# Altium PCB FSAES-22-E17 Temp Module PCB.PcbDoc (part 2 of 3)
Units mil, origin at the board's own origin, x right, y up, seen from the top; angles counter-clockwise.
Board outline 6776.17 x 2481.98 mil, 4 copper layers (Top Layer, Int 1 (GND), Int 2 (PWR), Bottom Layer), stack 53.912 mil thick; 294 components, 222 nets, 884 pads, 590 vias.
Unrouted connection lines stored in the file: 3.
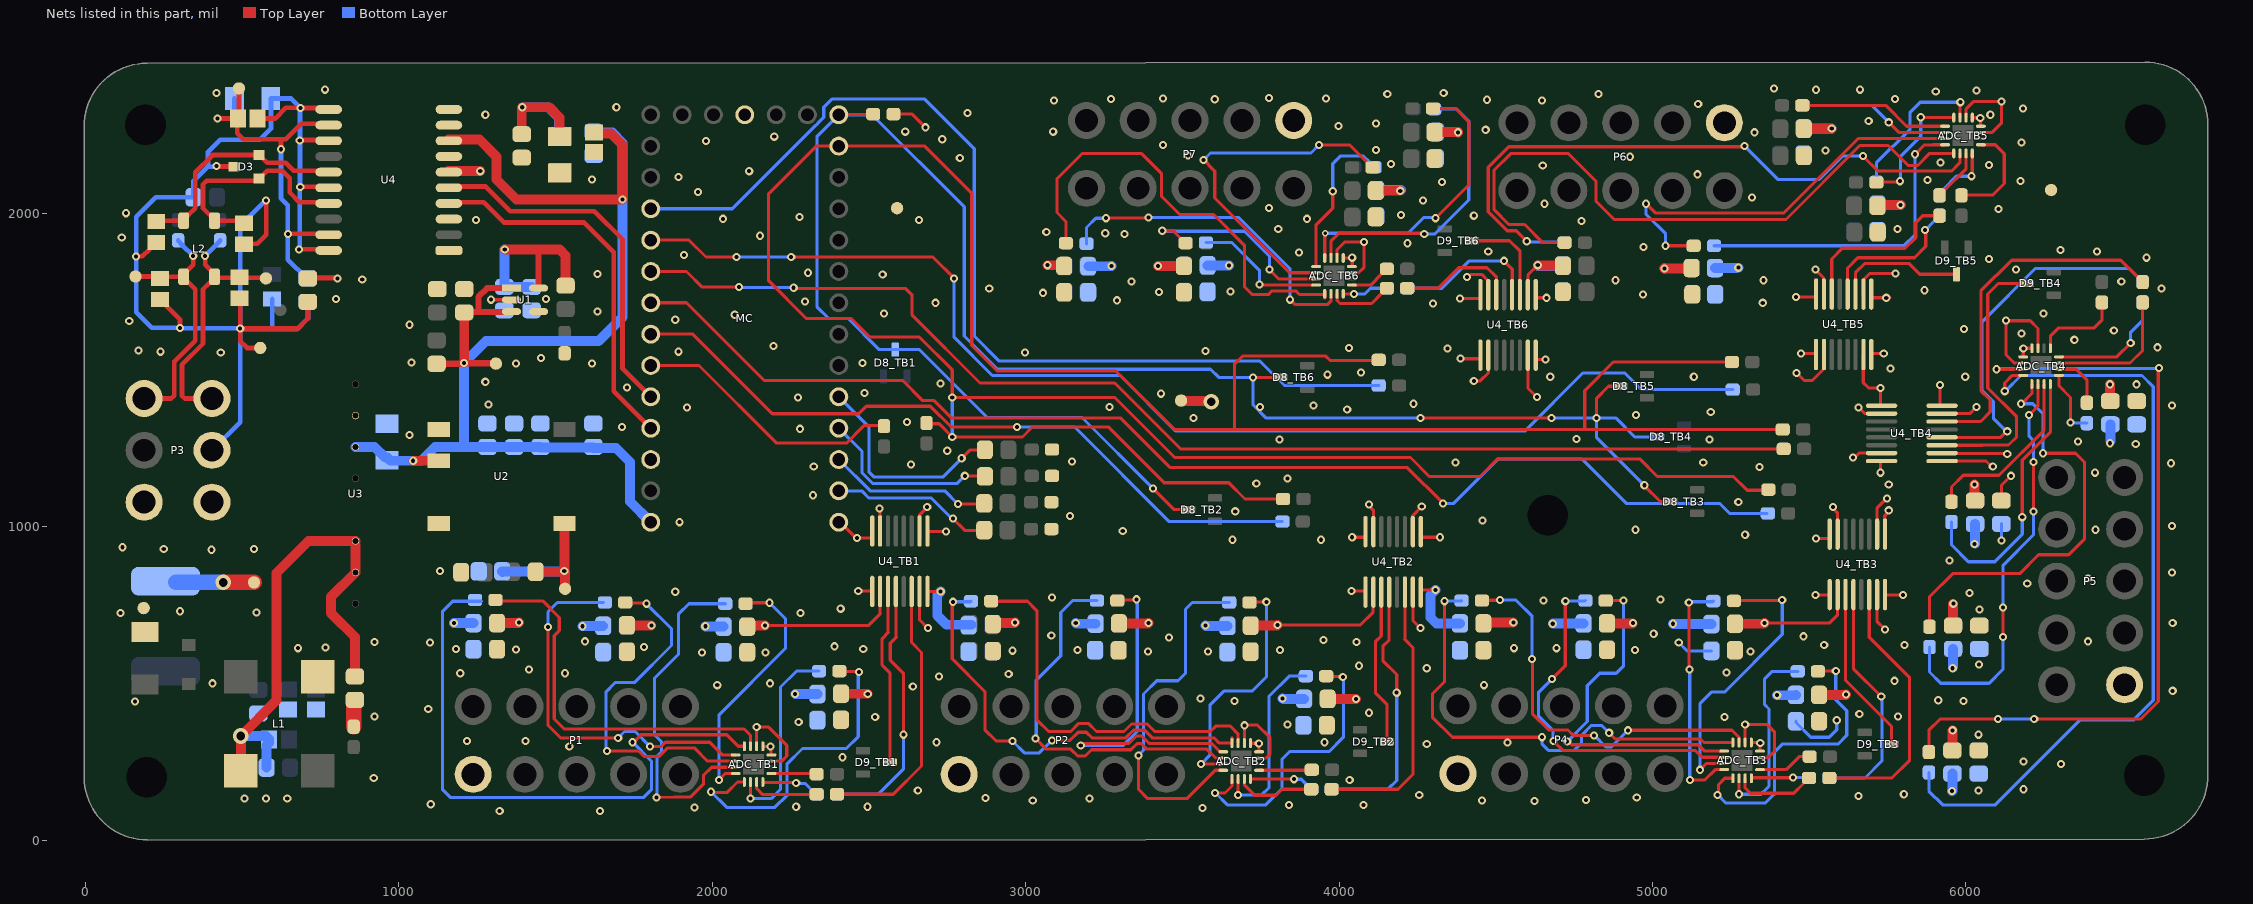
[diagram p4: the nets of this part, all layers, seen from the top]

## Via types
v1: diameter 25.98, hole 12.99, Top Layer to Bottom Layer, tented both sides, 575 vias
v2: diameter 25.98, hole 12.99, Top Layer to Bottom Layer, 8 vias
v3: diameter 50, hole 28, Top Layer to Bottom Layer, tented both sides, 6 vias
v4: diameter 21.65, hole 9.84, Top Layer to Bottom Layer, tented both sides, 1 vias

## Nets (pads, with @x,y where several pads share a name; then routed paths per layer and width w, separated by ;. In a path a pad name is that pad's centre, name@x,y a point inside that pad or via, vN(x,y) a via of type N, cw(c..) or ccw(c..) an arc to the next point about the centre after c; other vN are vias at no path point) (continued)
"0V (TMP)": "0V (TMP).1" ADC_TB1.8 ADC_TB1.9 ADC_TB2.8 ADC_TB2.9 ADC_TB3.8 ADC_TB3.9 ADC_TB4.8 ADC_TB4.9 ADC_TB5.8 ADC_TB5.9 ADC_TB6.8 ADC_TB6.9 C13.2 C29_TB1.2 C29_TB2.2 C29_TB3.2 C29_TB4.2 C29_TB5.2 C29_TB6.2 C30_TB1.2 C30_TB2.2 C30_TB3.2 C30_TB4.2 C30_TB5.2 C30_TB6.2 C31_TB1.2 C31_TB2.2 C31_TB3.2 C31_TB4.2 C31_TB5.2 C31_TB6.2 C32_TB1.2 C32_TB2.2 C32_TB3.2 C32_TB4.2 C32_TB5.2 C32_TB6.2 C33_TB1.2 C33_TB2.2 C33_TB3.2 C33_TB4.2 C33_TB5.2 C33_TB6.2 C34_TB1.2 C34_TB2.2 C34_TB3.2 C34_TB4.2 C34_TB5.2 C34_TB6.2 C35_TB1.2 C35_TB2.2 C35_TB3.2 C35_TB4.2 C35_TB5.2 C35_TB6.2 C36_TB1.2 C36_TB2.2 C36_TB3.2 C36_TB4.2 C36_TB5.2 C36_TB6.2 P1.9 P2.9 P4.9 P5.9 P6.9 P7.9 R4.1 U2.4 U4_TB1.9 U4_TB1.15 U4_TB2.9 U4_TB2.15 U4_TB3.9 U4_TB3.15 U4_TB4.9 U4_TB4.15 U4_TB5.9 U4_TB5.15 U4_TB6.9 U4_TB6.15 | length 1943.9
  Top Layer w10: ADC_TB1.8@2161.53,299.09 2161.53,298.62 2161.61,298.54 2185.46,298.54 v1(2186,298) 2187.54,296.46 2187.54,271.61 2187.62,271.53 ADC_TB1.9@2189.09,271.53 ; v1(2466,794) 2508.66,794 2510.07,792.6 U4_TB1.9@2510.07,774 ; U4_TB1.15@2661.59,793.09 2661.59,702.41 v1(2688,676) ; ADC_TB2.8@3717.53,309.09 3717.53,308.62 3717.61,308.54 3743.46,308.54 v1(3744,308) 3744.54,307.46 3744.54,281.61 3744.62,281.53 ADC_TB2.9@3745.09,281.53 ; ADC_TB6.8@4018.45,1857.54 v1@4041.54,1857.54 ; v1(4040,794) 4082.66,794 4083.81,792.85 U4_TB2.9@4083.81,771.54 ; ADC_TB6.9@4042,1829.53 v1(4042,1858) ; U4_TB2.15@4235.59,791.09 4235.59,700.41 v1(4260,676) ; v1(4408,1796) 4412.33,1796 4421.17,1804.85 4454.97,1804.85 4477.01,1782.81 U4_TB6.15@4477.01,1728.46 ; U4_TB6.9@4628.19,1730 v1(4662,1730) ; ADC_TB3.8@5315.53,311.09 5315.53,310.62 5315.61,310.54 5343.46,310.54 v1(5344,310) 5343.54,309.54 5343.54,283.61 5343.46,283.53 ADC_TB3.9@5343.09,283.53 ; v1(5520,782) 5563.88,782 5564.87,781 U4_TB3.9@5564.87,767.8 ; v1(5520,1820) 5546,1794 5546,1778.8 5546.1,1778.7 5546.1,1732.91 U4_TB5.15@5546,1732.82 ; U4_TB5.9@5698,1732 5698,1731.75 5699.75,1730 v1(5746,1730) 5746.46,1730.46 v1@5758.19,1730.46 ; U4_TB3.15@5716.05,767.8 5716.05,697.95 v1(5742,672) ; U4_TB4.9@5924,1209.21 6064.46,1209.21 6081.67,1192 v1(6086,1192) ; U4_TB4.15@5924,1360.39 6012.39,1360.39 v1(6034,1382) ; ADC_TB5.8@6020.44,2304.93 6020.44,2304.54 6020.52,2304.46 6045.54,2304.46 6047,2303 6047,2277.45 6047.08,2277.37 ADC_TB5.9@6048,2277.37 ; C32_TB4.2@6113.27,1082.8 6113.27,1131.26 v1(6144,1162) ; ADC_TB4.8@6182.91,1541.53 6183.03,1541.53 6183.11,1541.61 6183.11,1568.5 v1(6183.31,1568.69) 6183.5,1568.89 6210.39,1568.89 6210.47,1568.97 ADC_TB4.9@6210.47,1569.09
  Top Layer w19.68: v1@4041.54,1857.54 v1(4042,1858)
  Bottom Layer w10: v1(5084,630) 5111.03,602.97 C31_TB3.2@5188.14,602.97 ; C29_TB3.2@5458.14,378.97 5458.14,375.03 5505.17,328 5564,328 5588,352 v1(5588,382) ; C31_TB4.2@6113.27,1008.94 6114,1008.21 v1(6114,956)
  other v1: 1322,92 1642,92 3564,102 1944,104 2268,106 2496,106 3840,112 4078,112 1102,114 4624,124 3022.65,126.22 4456,126 4788,128 3204,132 2872,134 4950,136 5658,140 4256,144 5802,146 2656,158 6040,158 6184,162 4034,192 6304,242 6184,250 2416,264 1544,298 4280,306 2716,312 3954,312 1218,316 1404,316 6040,336 3836,368 2276,376 2520,392 5230,392 5784,394 5660,402 4096,406 1094,418 3666,444 5992,444 5912,446 3558,452 6660,476 2640,490 2016,494 4462,494 2184,500 5772,508 2724,522 2946,530 1196,532 1530,532 5236,534 1416,544 4280,548 4064,556 6042,560 1968,598 2170,598 3390,602 3582,602 5312.47,601.83 2958,604 3166,606 3812,606 4944,606 1374,608 1182,610 2482,610 4558,612 4694,612 1782,616 2390,618 5548,622 5804,622 1100,630 4056,632 1594,634 6390,634 3950,638 3458,646 5482,650 3082,652 5004,658 6660,692 2282,724 6044,736 2410,738 4652,764 5025.43,767.42 3084,774 6012,788 1882,792 6196,818 6390,834 6658,854 1132,858 5948,892 6414,990 6658,1002 6412,1172 6654,1202 6542,1264 6358,1272 6658,1386 6544,1454 5998,1478 6612,1572 6346,1596 6178,1616 6472,1626 5994,1630 6248,1680 4300,1712 5352,1714 3292,1722 4970,1740 3056,1746 3426,1748 3654,1750 5868,1754 6624,1760 3338,1782 6496,1782 4882,1786 5354,1786 6160,1820 6074,1854 6576,1858 3872,1874 4476,1878 6418,1878 6302,1882 4972,1892 4218,1904 3316,1934 3254,1936 3066,1940 3806,1950 5782,1950 4773.56,1975.62 3898,1982 4430,1992 4198,1994 6104.28,2013.72 3776,2016 4656,2030 4268,2040 5318,2050 4328,2100 6174.1,2103.18 5878,2106 5144,2124 4650,2152 6074,2154 4166.05,2156.41 5919.63,2162.16 4928,2180 3518,2184 5552,2200 4118,2202 3438,2218 6178,2226 5326,2258 3088,2260 4468,2266 3998,2278 4118,2286 5690,2294 6046,2304 6078,2314 6182,2334 5146,2348 3090,2360 4648,2360 4472,2362 3603.47,2363.48 3272,2364 5774,2364 3438,2366 3958,2366 3776,2368 4154,2380 4828,2380 4334,2384 5904,2388 6034,2392 5522.16,2393.8 5662,2394 5388,2398
"3.3V (ISO)": "3.3V (ISO).1" "RL_3.3V (ISO).A" C9.2 C10.1 C25.1 C26.1 C28.1 MC.3.3V_2 R13.2 U1.5 U4.6 U4_TB1.1 U4_TB1.7 U4_TB2.1 U4_TB2.7 U4_TB3.1 U4_TB3.7 U4_TB4.1 U4_TB4.7 U4_TB5.1 U4_TB5.7 U4_TB6.1 U4_TB6.7 | length 2600.4
  Top Layer w10: v1(2534,1058) 2534.88,1057.12 2534.88,964.58 U4_TB1.7@2537.01,962.46 ; R13.2@2578.48,2316 2638,2316 v1(2680,2274) ; U4_TB1.1@2688.19,961.75 2688.19,983.66 2688.53,984 v1(2746,984) ; v1(4096,1070) 4096,1065.67 4109.61,1052.07 U4_TB2.7@4109.61,984 4109.61,965.06 U4_TB2.7@4109.01,964.46 ; U4_TB2.1@4260.19,964.46 4261.73,966 v1(4322,966) ; v1@4388,1535.54 U4_TB6.1@4451.81,1535.54 ; U4_TB6.7@4602.39,1547.09 4602.99,1546.49 4602.99,1441.82 v1(4631.3,1413.52) ; v1(5474,1552) 5520.27,1552 5523.17,1549.1 U4_TB5.1@5523.17,1537.54 ; v1(5576,1062) 5576,1057.67 5590.82,1042.86 U4_TB3.7@5590.82,976 5590.82,958.35 U4_TB3.7@5590.03,957.56 ; v1(5640,1220) 5644.33,1220 5659.33,1235.01 U4_TB4.7@5753.54,1235.01 ; U4_TB5.7@5673.2,1549.09 5672.8,1548.69 5672.8,1459.2 5690,1442 v1(5728,1442) 5728,1387.34 5729.15,1386.19 U4_TB4.1@5753.54,1386.19 ; U4_TB3.1@5741.25,960.71 5741.25,1034.92 5754,1047.67 v1(5754,1052)
  Top Layer w19.68: U1.5@1446,1760.8 1446,1884
  Top Layer w31.5: U4.6@1158.02,2135 1259,2135 v1(1260,2134) ; v1(1338,1884) 1446,1884 1513.55,1884 1532,1865.55 1532,1768.8 ; C26.1@1392.32,2252 1392.32,2336.32 v1(1394,2338) 1480,2338 1512.32,2305.69 C25.1@1512.32,2244.12 ; 3496,1400.49 3589.51,1400.49 v3(3592,1398)
  Bottom Layer w10: C10.1@1423.9,1764.9 C10.1@1424,1764.8
  Bottom Layer w31.5: v1@1337,1884 v1@1337,1883 ; v1(1338,1884) v1@1337,1883 ; v1(1394,2338) 1478,2338 1511.45,2304.55 1511.45,2248.99 C28.1@1514.32,2246.12 ; C10.1@1423.9,1764.9 1337.1,1764.9 C9.2@1337,1765 v1@1337,1883
  other v1: 4388,1536
"5V (CAN)": "5V (CAN).1" C19.1 C20.1 C21.2 C22.1 U4.12 U4.19 | length 1427.2
  Top Layer w15: v1(422,2302) 480.24,2302 490,2311.76 490,2382 ; C21.2@484.5,2302 484.5,2255.5 504,2236 624,2236 ; v1(624,2204) 624,2236 ; v1(646,1934) 646.5,1934.5 773.52,1934.5 U4.19@774.02,1935 ; C19.1@709.03,1792 C19.1@710,1792 v1(804,1792) ; U4.12@774.02,2285 689,2285 640,2236 624,2236
  Bottom Layer w15: v1(422,2302) 464,2302 475.76,2313.76 C20.1@475.76,2366 ; v1(624,2204) 624,2048 646,2026 v1(646,1934) 646,1851.87 C22.1@706,1791.87 ; C22.1@695.03,1791.87 C22.1@706,1791.87 ; C22.1@735.9,1792.94 707.06,1792.94 C22.1@706,1791.87 ; C22.1@738,1794 802,1794 v1(804,1792)
"5V (ISO)": 5V(ISO).1 C6.1 C7.2 C8.2 C11.2 C12.1 C23.2 C24.1 C27.1 MC.VIN RL_5V(ISO).A U1.1 U1.3 U2.2 U3.6 U4.8 | length 4353.6
  Top Layer w19.68: 1121.11,1518.76 1120.35,1519.53 v1@1203.82,1519.53 ; v1@1209,1521 1309,1521 1310,1520 ; C11.2@1210.43,1684.54 1254,1684.54 ; U1.3@1339.26,1684.54 1254,1684.54 ; U1.3@1339.26,1686 U1.3@1359.36,1686 ; U1.1@1359.36,1760.8 1281.93,1760.8 1254,1732.87 1254,1684.54
  Top Layer w31.5: v1(1046,1210) U2.2@1135.57,1210 ; U4.8@1158.02,2235 1257,2235 1312,2180 1312,2108 1376,2044 v1(1714,2044) 1714,2218 1677.39,2254.61 1635.11,2254.61 1632.23,2257.5 C23.2@1622.32,2257.5 ; v1@1208.97,1522.97 C11.2@1208.97,1677.07 ; C11.2@1208.97,1683.07 C11.2@1210.43,1684.54
  Bottom Layer w31.5: U3.6@862,1254 922.94,1254 956.94,1220 963.88,1220 973.88,1210 1072,1210 1116,1254 1208,1254 ; C8.2@1452,1252.07 1620.97,1252.07 1621.78,1251.26 1692.74,1251.26 1738,1206 1738,1080 MC.VIN@1804,1014 ; C8.2@1452.03,1254.07 1452,1254.04 C7.2@1368,1254 C7.2@1368,1254 1367.94,1254.06 C12.1@1282.97,1254.13 C12.1@1282.97,1254.13 1282.84,1254 1208,1254 ; C24.1@1622.32,2260 1625.32,2256.99 1681.48,2256.99 1714,2224.47 v1(1714,2044) 1714,1668 1638,1592 1278,1592 v1(1208,1522) 1208,1254
  other v1: 1454,1538
"5V (TMP)": "5V (TMP).1" "RL_5V (TMP).A" ADC_TB1.7 ADC_TB1.10 ADC_TB2.7 ADC_TB2.10 ADC_TB3.7 ADC_TB3.10 ADC_TB4.7 ADC_TB4.10 ADC_TB5.7 ADC_TB5.10 ADC_TB6.7 ADC_TB6.10 C13.1 R23_TB1.2 R23_TB2.2 R23_TB3.2 R23_TB4.2 R23_TB5.2 R23_TB6.2 R25_TB1.2 R25_TB2.2 R25_TB3.2 R25_TB4.2 R25_TB5.2 R25_TB6.2 R27_TB1.2 R27_TB2.2 R27_TB3.2 R27_TB4.2 R27_TB5.2 R27_TB6.2 R29_TB1.2 R29_TB2.2 R29_TB3.2 R29_TB4.2 R29_TB5.2 R29_TB6.2 R31_TB1.2 R31_TB2.2 R31_TB3.2 R31_TB4.2 R31_TB5.2 R31_TB6.2 R33_TB1.2 R33_TB2.2 R33_TB3.2 R33_TB4.2 R33_TB5.2 R33_TB6.2 R35_TB1.2 R35_TB2.2 R35_TB3.2 R35_TB4.2 R35_TB5.2 R35_TB6.2 R37_TB1.2 R37_TB2.2 R37_TB3.2 R37_TB4.2 R37_TB5.2 R37_TB6.2 U2.5 U4_TB1.10 U4_TB1.16 U4_TB2.10 U4_TB2.16 U4_TB3.10 U4_TB3.16 U4_TB4.10 U4_TB4.16 U4_TB5.10 U4_TB5.16 U4_TB6.10 U4_TB6.16 | length 8087.5
  Top Layer w10: v1@1805.03,684.97 v1(1806,684) ; R27_TB1.2@2111.86,680.97 R27_TB1.2@2114.89,684 ; ADC_TB1.7@2141.84,299.09 2141.84,359.84 v1(2142,360) 2180,360 2238,302 2238,268 2221.84,251.84 ADC_TB1.10@2189.09,251.84 ; v1(2168,684) 2498,684 2536.28,722.28 2535.61,722.96 U4_TB1.10@2535.61,793.09 ; U4_TB1.10@2537.01,801.54 U4_TB1.10@2537.5,801.05 ; U4_TB1.16@2688.19,767.75 2688.19,792.44 2688.53,792.78 v1(2729.09,792.78) ; R37_TB2.2@2895.38,688.97 R37_TB2.2@2896.41,690 ; ADC_TB2.7@3697.84,309.09 3697.92,309.17 3697.92,365.92 v1(3698,366) 3698.94,366.94 3739.06,366.94 3780,326 3780,274 3767.84,261.84 ADC_TB2.10@3745.09,261.84 ; v1(3804,686) 4068,686 4107.12,725.12 4107.12,725.32 4108.88,727.09 4108.88,790.36 U4_TB2.10@4109.61,791.09 ; ADC_TB6.7@3993.92,1867.83 3993.92,1883.92 4018,1908 v1(4080,1908) 4080,1828 4061.92,1809.92 ADC_TB6.10@4051.83,1809.92 ; U4_TB2.16@4260.19,771.54 4260.19,795.17 4262.53,797.51 v1(4307.88,797.51) ; v1(4386,1728) 4451.35,1728 U4_TB6.16@4451.81,1728.46 ; R37_TB3.2@4460.93,690.97 R37_TB3.2@4463.96,694 ; U4_TB6.10@4602.99,1728.46 4602.99,1802.99 v1(4634,1834) ; v1@4936.97,690.97 v1(4938,692) ; ADC_TB3.7@5295.84,311.09 5295.84,365.84 5296,366 v1(5296,368) 5366,368 5390,344 5390,284 5369.92,263.92 5343.17,263.92 ADC_TB3.10@5343.09,263.84 ; v1(5358,692) 5564,692 5590.82,718.82 U4_TB3.10@5590.82,783.09 ; v1(5458,1732) U4_TB5.16@5521.62,1732 ; v1@5570.97,2268.97 v1(5572,2270) ; U4_TB5.10@5672.8,1732 5672.8,1785.94 5675.09,1788.22 5675.09,1789.09 5694,1808 v1(5776,1808) ; U4_TB3.16@5741.97,772.82 5741.97,780.23 5743.75,782 v1(5800,782) ; v1(5918,1452) 5918,1387.34 5919.15,1386.19 U4_TB4.16@5954.46,1386.19 ; U4_TB4.10@5924,1234.41 5924.72,1233.69 6130.31,1233.69 v1(6132,1232) ; v1@5959.03,753.03 v1(5960,754) ; ADC_TB5.7@6000.76,2304.93 6000.83,2305.01 6000.83,2332.83 6024,2356 v1(6114,2356) 6114,2288 6083.69,2257.68 ADC_TB5.10@6048,2257.68 ; ADC_TB4.7@6172.17,1521.92 6154.08,1521.92 6128,1548 v1(6128,1658) 6129.09,1656.91 6205.09,1656.91 6230.16,1631.84 ADC_TB4.10@6230.16,1569.09
  Top Layer w31.5: R37_TB1.2@1313.9,692 1382,692 v1(1384,694) ; 1446.64,856 1526,856 v1(1528,858) ; U2.5@1528.79,1010 1528.79,858.79 v1(1528,858) ; 1530.49,801.51 1530.49,855.51 v1(1528,858) ; R31_TB1.2@1727.9,684.97 v1@1805.03,684.97 ; R27_TB1.2@2114.89,684 v1(2168,684) ; R25_TB1.2@2411.19,466.8 v1@2495.58,466.8 ; R37_TB2.2@2906.41,692 2964,692 v1(2966,694) ; v1(3070,1834) 3120.56,1834 R25_TB6.2@3123.06,1831.5 ; R33_TB2.2@3297.9,690.97 3390.97,690.97 v1(3392,692) ; v1(3422,1832) 3422.5,1831.5 R29_TB6.2@3505.06,1831.5 ; R29_TB2.2@3718,683.94 3801.94,683.94 v1(3804,686) ; R25_TB2.2@3964,450 v1(4054,450) ; R31_TB6.2@4116.94,2071.44 v1(4195.44,2071.44) ; R35_TB6.2@4304.8,2258.97 4379.03,2258.97 v1(4380,2258) ; R37_TB3.2@4463.96,694 v1(4556,694) ; v1(4634,1834) 4634.97,1833.03 R25_TB5.2@4714.14,1833.03 ; R33_TB3.2@4855.42,690.97 v1@4936.97,690.97 ; v1@5039.03,1825.03 v1(5038,1824) 5124.04,1824 R29_TB5.2@5125.07,1825.03 ; R29_TB3.2@5263.06,689.94 5355.94,689.94 v1(5358,692) ; R33_TB5.2@5482.93,2268.97 v1@5570.97,2268.97 ; R25_TB3.2@5531.52,462.97 5616.97,462.97 v1(5618,464) ; R35_TB5.2@5718,2022.97 5721.03,2026 v1(5792,2026) ; R37_TB4.2@5957.03,285.86 5957.03,349.03 v1(5958,350) ; R33_TB4.2@5959.03,684 v1@5959.03,753.03 ; v1(6028,1134) 6028,1084.06 R29_TB4.2@6029.27,1082.8 ; v1(6460,1454) 6460,1401.37 R23_TB4.2@6461.03,1400.34
  Bottom Layer w10: v1@4378.97,2259.03 v1(4380,2258) ; v1(5958,548) 5958,550 v1@5959.03,551.03 ; v1(6028,944) v1@6029.27,945.27 ; v1(6460,1266) 6460,1272 v1@6461.03,1273.03
  Bottom Layer w31.5: v1(1176,692) R35_TB1.2@1238.1,692 ; C13.1@1331.36,855.48 C13.1@1329.87,856.97 1526.97,856.97 v1(1528,858) ; v1(1586,682) 1586.97,682.97 R33_TB1.2@1652.1,682.97 ; v1(1978,682) 1979.03,680.97 R29_TB1.2@2036.1,680.97 ; v1@2266.23,465.77 R23_TB1.2@2335.43,465.77 ; v1(2729.09,792.78) 2718,781.69 2718,716 2747.03,686.97 R35_TB2.2@2827.98,686.97 ; v1(3160,692) 3162,690 R31_TB2.2@3223.2,690 ; R23_TB6.2@3199.81,1830.47 3270.47,1830.47 3272,1832 v1(3274,1832) ; v1(3574,684) 3575.03,682.97 R27_TB2.2@3644.14,682.97 ; R27_TB6.2@3580.77,1833.5 3647.92,1833.5 3648.51,1832.91 v1(3648.62,1832.91) ; v1(3820,452) 3822,450 R23_TB2.2@3888.24,450 ; R33_TB6.2@4118.94,2073.5 v1@4197.5,2073.5 ; v1(4307.88,797.51) 4292,781.63 4292,709.42 4310.45,690.97 R35_TB3.2@4385.61,690.97 ; R37_TB6.2@4308.91,2259.03 v1@4378.97,2259.03 ; v1(4634,1834) 4636,1832 R23_TB5.2@4714.14,1832 ; v1(4682,690) 4682.97,690.97 R31_TB3.2@4780.1,690.97 ; v1(5038,1824) v1@5039.03,1822.97 ; v1(5066,690) 5067.03,688.97 R27_TB3.2@5188.14,688.97 ; R27_TB5.2@5200,1825.03 5269.03,1825.03 5270,1826 v1(5274,1826) ; v1(5398,462) 5457.17,462 R23_TB3.2@5458.14,462.97 ; R31_TB5.2@5482,2271.03 5570.97,2271.03 v1(5572,2270) ; R37_TB5.2@5718,2027.03 5790.97,2027.03 v1(5792,2026) ; v1(5956,156) 5957.03,157.03 R35_TB4.2@5957.03,212 ; v1@5959.03,551.03 R31_TB4.2@5959.03,610.14 ; v1@6029.27,945.27 R27_TB4.2@6029.27,1008.94 ; v1@6461.03,1273.03 R25_TB4.2@6461.03,1326.48
  other v1: 2264,466 2496.39,466
12V/24V: 24V.A C4.1 C5.2 L1.2 U3.2 U3.3 | length 1642.2
  Top Layer w31.5: L1.2@496.12,221 496,221.12 v3(496,332) 610,446 610,852 712,954 U3.3@862,954 ; 24V.A@859.97,521.87 860.2,522.11 860.2,647.2 784,723.4 784,776 U3.2@862,854 862,942
  Bottom Layer w31.5: v3(496,332) 496.07,332.07 576.16,332.07 586,322.22 C5.2@586,321 ; C4.1@578.13,231.03 578.13,302.3 585.41,309.58 585.41,317.46 C5.2@586,318.05
  other v1: 678,612
C1: MC.21 R16_TB1.1 | length 868.5
  Top Layer w10: MC.21@1804,1514 1958,1514 2205.52,1266.48 2428.34,1266.48 2483.86,1322 R16_TB1.1@2546.97,1322
C2: MC.20 R16_TB2.1 | length 2283.1
  Top Layer w10: MC.20@1804,1614 1938,1614 2192,1360 2468,1360 2492.01,1384.01 2695.99,1384.01 2762,1318 v1(2972,1318)
  Bottom Layer w10: v1(2972,1318) 3156,1318 3458,1016 R16_TB2.1@3819.52,1016
C3: MC.19 R16_TB3.1 | length 3958
  Top Layer w10: MC.19@1804,1714 1918,1714 2166,1466 2608,1466 2671.99,1402.01 2707.99,1402.01 2764,1346 3304,1346 3462,1188 4218,1188 v1(4332,1074)
  Bottom Layer w10: v1(4332,1074) 4366,1074 4508,1216 4774,1216 4916,1074 5214,1074 5246,1042 R16_TB3.1@5366,1042
C4: MC.18 R16_TB4.1 | length 3886.3
  Top Layer w10: MC.18@1804,1814 1918,1814 1968,1764 v1(2086,1764) ; v1(2260,1762) 2262,1760 2616,1760 2638,1738 2638,1674.62 2854.62,1458 3284,1458 3494.06,1247.94 R16_TB4.1@5418.71,1247.94
  Bottom Layer w10: v1(2086,1764) 2087,1763 2259,1763 v1(2260,1762)
C5: MC.17 R16_TB5.1 | length 3912.2
  Top Layer w10: MC.17@1804,1914 1926,1914 1980,1860 v1(2078,1860) ; v1(2252,1860) 2704,1860 v1(2772,1792)
  Bottom Layer w10: v1(2078,1860) v1(2252,1860) ; v1(2772,1792) 2772,1604 2894,1482 3302,1482 3478,1306 4594,1306 4778,1490 4912,1490 4964.79,1437.21 R16_TB5.1@5256.19,1437.21
C6: MC.16 R16_TB6.1 | length 3215.2
  Bottom Layer w10: MC.16@1804,2014 2064,2014 2329.08,2279.08 ccw(c2304,2314) 2338.92,2288.92 2356,2306 2356,2338 2382,2364 2678,2364 2836,2206 2836,1608 2916,1528 3748,1528 3825.86,1450.14 R16_TB6.1@4126.55,1450.14
CAN_CMF_N: C17.2 D3.2 L2.4 U4.15 | length 697.7
  Top Layer w15: C17.2@226,1973.46 228.54,1976 L2.4@313.57,1976 ; L2.4@323.69,1989 323.69,1994.24 328.93,1994.24 350.29,2015.6 350.29,2130.02 405.66,2185.4 D3.2@553.37,2185.4 ; D3.2@563.59,2177.15 580.24,2160.5 638.86,2160.5 664.36,2135 U4.15@774.02,2135
CAN_CMF_P: C18.2 D3.1 L2.3 U4.17 | length 686.1
  Top Layer w15: L2.3@401.89,1989 401.89,1994.24 396.65,1994.24 375.29,2015.6 375.29,2091.56 387.28,2103.55 546.32,2103.55 D3.1@553.37,2110.6 ; L2.3@412,1976 497.46,1976 C18.2@506,1967.46 ; D3.1@563.59,2118.85 580.24,2135.5 628.5,2135.5 652,2112 652,2066 683,2035 U4.17@774.02,2035
CAN_N: C16.2 CANL.1 L2.1 P3.3 R7.1 | length 797.7
  Top Layer w15: CANL.1@174.59,1798 231.46,1798 C16.2@238,1791.46 243.4,1796.87 L2.1@313.57,1796.87 313.57,1805.57 344,1836 v1(344,1864) ; P3.3@187.46,1408.71 274.45,1408.71 283.23,1417.5 283.23,1526.59 350.29,1593.64 350.29,1757.27 L2.1@323.69,1783.87
  Bottom Layer w15: R7.1@296,1913.52 296,1911.83 309.45,1898.38 309.62,1898.38 v1(344,1864)
CAN_P: C15.2 CANH.1 L2.2 P3.6 R5.2 | length 821.7
  Top Layer w15: v1(382,1864) 382,1834.99 412,1804.99 L2.2@412,1796.87 414.43,1794.43 C15.2@490.97,1794.43 ; L2.2@401.89,1783.87 401.89,1778.63 396.65,1778.63 375.29,1757.27 375.29,1583.29 308.23,1516.23 308.23,1417.5 317.02,1408.71 P3.6@404,1408.71 ; C15.2@492,1794.43 573.57,1794.43 CANH.1@576,1792
  Bottom Layer w15: v1(382,1864) 416.38,1898.38 416.55,1898.38 430,1911.83 R5.2@430,1913.52
CANS: C14.2 C15.1 C16.1 C17.1 C18.1 C19.2 C20.2 C21.1 C22.2 CANS.1 D3.3 P3.5 R6.1 U4.11 U4.13 U4.16 U4.20 | length 4653.2
  Top Layer w15: v1(162,1862) 162.36,1862.36 181.83,1862.36 204.96,1885.49 204.96,1889.43 222.06,1906.54 C17.1@226,1906.54 ; C16.1@238,1724.54 241.94,1724.54 259.04,1707.43 259.04,1703.49 302,1660.54 v1(302,1634) ; v1(418,2150) 419,2149 471.7,2149 D3.3@472.7,2148 ; C15.1@492.43,1728.15 494,1726.58 v1(494,1632) ; C18.1@506,1900.54 507.72,1902.26 548.26,1902.26 577.51,1931.51 577.51,2038.49 v1(576,2040) ; C21.1@549.5,2302 606,2302 640,2336 v1(686,2336) 686.5,2335.5 773.48,2335.5 U4.11@773.98,2335 ; CANS.1@558,1570 516,1570 494,1592 v1(494,1632) ; v1(682,1884) 682.5,1884.5 773.52,1884.5 U4.20@774.02,1885 ; v1(684,2232) 685.5,2233.5 772.52,2233.5 U4.13@774.02,2235 ; v1@686.11,2084.5 773.52,2084.5 U4.16@774.02,2085 ; C19.2@710,1717.2 710,1664 678,1632 v1(494,1632)
  Bottom Layer w15: v1(302,1634) 212,1634 162,1684 v1(162,1862) 162,1988 224.97,2050.97 C14.2@345.07,2050.97 345.07,2103.07 390,2148 ; v1@303,1633 493,1633 v1(494,1632) ; P3.5@404,1243.35 494,1333.35 v1(494,1632) ; v1(418,2150) 416,2148 390,2148 ; v1@496,1630 596,1630 ; v1(576,2040) 574,2040 494,1960 v1(494,1632) ; C20.2@592,2364.31 592,2270 556,2234 430,2234 391.49,2195.49 391.49,2149.49 390,2148 ; C20.2@592,2366 656,2366 v1(686,2336) 685,2335 685,2233 v1(684,2232) ; R6.1@596,1726 596,1630 ; v1(682,1884) 683.81,1885.81 683.81,2082.19 v1(685.61,2084) 684.81,2084.81 v1@684.81,2231.19 ; C22.2@710,1723.94 710,1664 676,1630 596,1630
CRX1: MC.23 U4.4 | length 1204.7
  Top Layer w15: U4.4@1158.02,2035 1271,2035 1336,1970 1592,1970 1686,1876 1686,1432 MC.23@1804,1314
"CS (ADC)_TB1": ADC_TB1.13 R20_TB1.1 | length 188.9
  Top Layer w10: ADC_TB1.13@2161.53,184.91 2161.53,183.54 2161.61,183.46 2266.54,183.46 v1(2268,182)
  Bottom Layer w10: v1(2268,182) 2269.43,180.57 2295.99,180.57 2326.38,150.19 2329.33,150.19 R20_TB1.1@2333.52,146
"CS (ADC)_TB2": ADC_TB2.13 R20_TB2.1 | length 208
  Top Layer w10: ADC_TB2.13@3717.53,194.91 3717.53,194.54 3717.61,194.46 3855.54,194.46 v1(3856,194)
  Bottom Layer w10: v1(3856,194) 3879.47,194 3893.83,179.64 3893.83,179.31 3911.14,162 R20_TB2.1@3911.47,162
"CS (ADC)_TB3": ADC_TB3.13 R20_TB3.1 | length 187
  Top Layer w10: ADC_TB3.13@5315.53,196.91 5315.53,198.38 5315.61,198.46 5446.46,198.46 v1(5448,200)
  Bottom Layer w10: v1(5448,200) 5449,199 5498.52,199 R20_TB3.1@5499.52,198
"CS (ADC)_TB4": ADC_TB4.13 R20_TB4.1 | length 393.4
  Top Layer w10: ADC_TB4.13@6297.09,1541.53 6481.53,1541.53 v1(6526,1586)
  Bottom Layer w10: v1(6526,1586) 6524.99,1587.01 6524.99,1618.99 6564,1658 R20_TB4.1@6564,1715.52
"CS (ADC)_TB5": ADC_TB5.13 R20_TB5.1 | length 195.5
  Top Layer w10: v1(6018,2118) 6020.36,2120.36 6020.36,2190.68 ADC_TB5.13@6020.44,2190.76
  Bottom Layer w10: R20_TB5.1@5918.54,2066.8 5920.27,2066.8 5930.69,2077.22 5930.69,2078.95 5969.73,2118 v1(6018,2118)